# Altium PCB Copy of DIOT_SMA16_.PcbDoc (part 3 of 6) (continued)
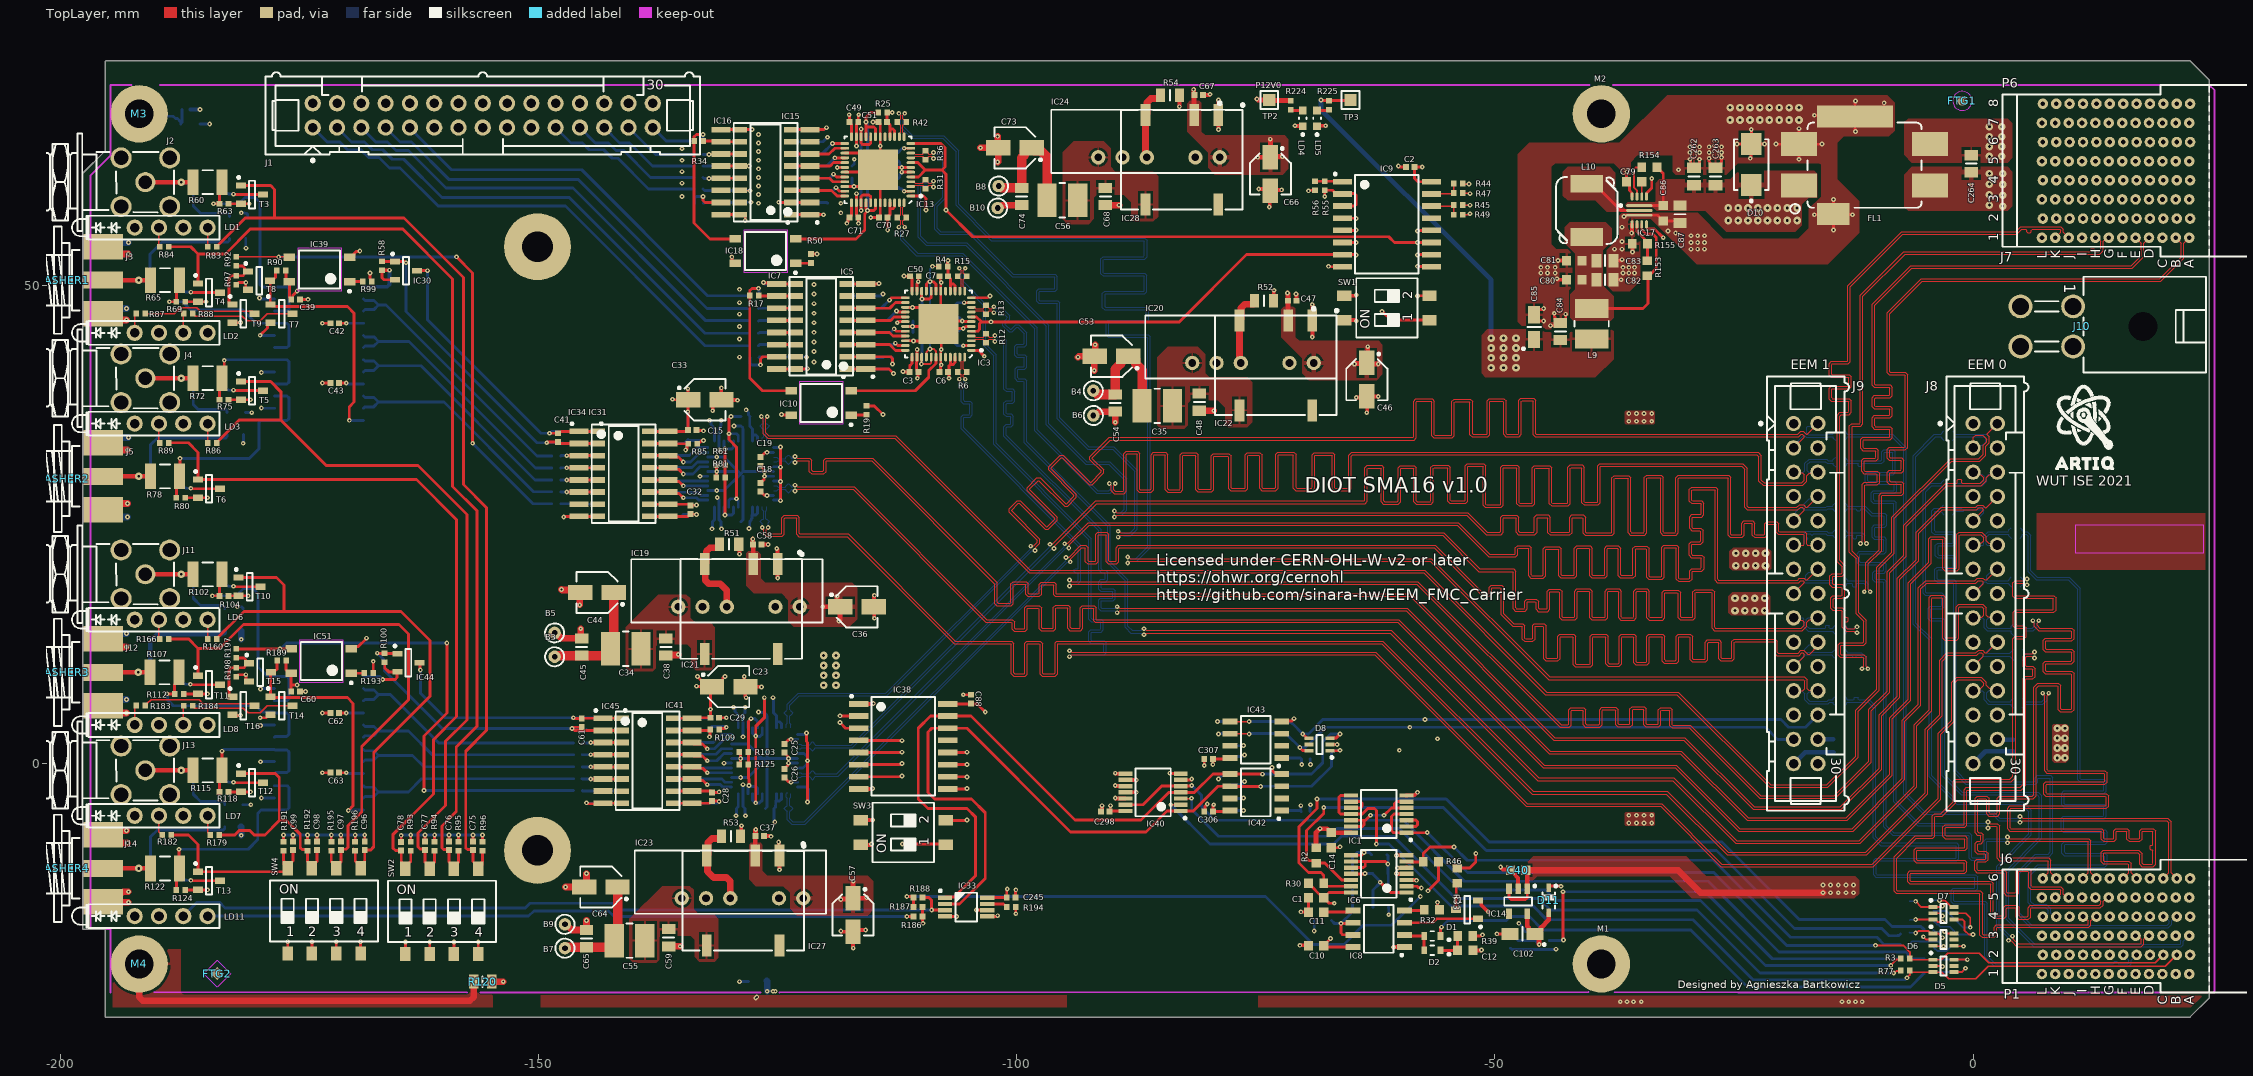
[diagram p0: TopLayer view]
## Nets (pads, with @x,y where several pads share a name; then routed paths per layer and width w, separated by ;. In a path a pad name is that pad's centre, name@x,y a point inside that pad or via, vN(x,y) a via of type N, cw(c..) or ccw(c..) an arc to the next point about the centre after c; other vN are vias at no path point) (continued)
EEM_IO.LVDS_N10: IC46.4 J9.9 R114.2 R173.2 | length 184.2
  TopLayer w0.12: v1(-96.1,22.5) -96.041,22.559 -96.041,22.81 -91.651,27.2 -63.558,27.2 -63.332,27.426 -63.332,30.842 -63.262,30.913 -61.95,30.913 -61.88,30.842 -61.88,27.368 -61.655,27.143 -60.088,27.143 -59.862,27.368 -59.862,30.83 -59.792,30.9 -58.548,30.9 -58.477,30.83 -58.477,27.361 -58.252,27.135 -56.654,27.135 -56.429,27.361 -56.429,30.863 -56.358,30.933 -54.995,30.933 -54.925,30.863 -54.925,27.438 -54.7,27.213 -53.067,27.213 -52.841,27.438 -52.841,31.03 -52.771,31.1 -51.285,31.1 -51.214,31.03 -51.214,27.035 -50.989,26.81 -49.35,26.81 -49.125,27.035 -49.125,30.865 -49.054,30.935 -47.77,30.935 -47.7,30.865 -47.7,27.194 -47.474,26.969 -46.049,26.969 -45.824,27.194 -45.824,30.824 -45.753,30.895 -44.37,30.895 -44.3,30.824 -44.3,28.162 -44.3,27.194 -44.074,26.969 -42.334,26.969 -42.109,27.194 -42.109,30.895 -42.038,30.965 -40.97,30.965 -40.9,30.895 -40.9,27.278 -40.674,27.053 -39.215,27.053 -38.989,27.278 -38.989,31.03 -38.919,31.1 -24.2,31.1 -23.9,30.8 -23.9,26.826 -23.611,26.537 -18.318,26.537 -18.034,26.821 -17.84,26.821 -17.659,26.641 -17.659,26.51 J9.9@-18.77,25.399
  Bottom Layer w0.12: IC46.4@-122.923,1.55 -122.58,1.55 -122.463,1.667 -121.693,1.667 -121.623,1.597 -121.623,1.56 -121.393,1.33 R114.2@-121.373,1.33 -121.353,1.33 -121.123,1.56 -121.123,1.597 -121.053,1.667 -117.184,1.667 -96.41,22.441 -96.159,22.441 v1(-96.1,22.5) ; J9.9@-18.77,25.399 -18.525,25.644 -18.525,26.314 -18.067,26.771 -17.877,26.771 -17.643,26.537 -15.293,26.537 -15.162,26.667 -14.673,26.667 -14.603,26.597 -14.603,26.53 R173.2@-14.373,26.3
EEM_IO.LVDS_N11: IC13.4 J9.12 R31.2 R174.2 | length 183.4
  TopLayer w0.085: IC13.4@-111.076,60.85 -110.762,60.85 -110.618,60.706 -109.843,60.706 -109.793,60.756 -109.793,60.823 -109.546,61.07 R31.2@-109.526,61.07 -109.506,61.07 -109.259,60.823 -109.259,60.756 -109.208,60.706 -108.957,60.706 -108.754,60.91 v1(-108.7,60.91)
  TopLayer w0.12: v1(-89.8,26.404) -89.717,26.404 -89.54,26.226 -52.826,26.226 -50.815,24.215 -49.47,24.215 -49.4,24.285 -49.4,25.739 -49.174,25.965 -47.726,25.965 -47.5,25.739 -47.5,24.285 -47.43,24.215 -45.935,24.215 -45.865,24.285 -45.865,25.774 -45.639,26 -44.426,26 -44.2,25.774 -44.2,24.254 -44.13,24.183 -42.27,24.183 -42.2,24.254 -42.2,25.774 -41.974,26 -40.749,26 -40.523,25.774 -40.523,24.218 -40.453,24.148 -37.835,24.148 -37.765,24.218 -37.765,29.882 -37.539,30.108 -36.026,30.108 -35.8,29.882 -35.8,24.235 -35.73,24.165 -34.435,24.165 -34.365,24.235 -34.365,29.932 -34.139,30.157 -32.626,30.157 -32.4,29.932 -32.4,24.235 -32.33,24.165 -31.17,24.165 -31.1,24.235 -31.1,29.875 -30.81,30.165 -25.561,30.165 -25.335,29.939 -25.335,23.991 -25.265,23.921 -24.27,23.921 -24.2,23.991 -24.2,25.153 -23.974,25.378 -23.037,25.378 -22.811,25.153 -22.811,24.002 -22.741,23.932 -21.864,23.932 -21.794,24.002 -21.794,25.087 -21.568,25.313 -20.537,25.313 -20.312,25.087 -20.312,24.324 -20.241,24.254 -17.624,24.254 -17.394,24.023 -17.394,22.92 -17.323,22.85 -16.239,22.85 J9.12@-16.23,22.859
  Bottom Layer w0.12: v1(-108.7,60.91) -108.783,60.91 -108.96,60.732 -110.023,60.732 -110.312,60.443 -110.312,55.03 -109.47,54.188 -105.362,54.188 -96.923,45.749 -96.923,35.448 -92.785,31.31 -90.384,31.31 -88.753,29.678 -88.753,26.622 -89.148,26.226 -89.54,26.226 -89.717,26.404 v1(-89.8,26.404) ; J9.12@-16.23,22.859 -16.244,22.845 -17.341,22.845 -17.411,22.916 -17.411,23.336 -17.283,23.465 -17.283,23.564 -17.411,23.692 -17.411,23.932 -17.321,24.022 -17.027,24.022 -16.894,23.888 -16.794,23.888 -16.661,24.022 -15.401,24.022 -15.272,23.892 -14.673,23.892 -14.603,23.822 -14.603,23.78 R174.2@-14.373,23.55
EEM_IO.LVDS_N12: IC46.10 J9.15 R121.2 R175.2 | length 183.5
  TopLayer w0.12: v1(-94.556,22.556) -94.497,22.614 -94.497,22.865 -92.415,24.947 -53.947,24.947 -50.635,21.635 -47.826,21.635 -47.6,21.86 -47.6,22.445 -47.53,22.516 -46.535,22.516 -46.465,22.445 -46.465,19.622 -46.239,19.397 -44.926,19.397 -44.7,19.622 -44.7,22.369 -44.63,22.439 -43.397,22.439 -43.326,22.369 -43.326,19.646 -43.101,19.421 -41.651,19.421 -41.426,19.646 -41.426,22.43 -41.356,22.5 -40.165,22.5 -40.095,22.43 -40.095,19.655 -39.87,19.429 -38.473,19.429 -38.248,19.655 -38.248,22.426 -38.177,22.497 -37.198,22.497 -37.128,22.426 -37.128,19.646 -36.902,19.421 -35.526,19.421 -35.3,19.646 -35.3,22.398 -35.23,22.468 -34.219,22.468 -34.149,22.398 -34.149,19.509 -33.923,19.283 -32.526,19.283 -32.3,19.509 -32.3,22.493 -32.23,22.564 -31.096,22.564 -31.026,22.493 -31.026,19.276 -30.8,19.051 -29.614,19.051 -29.389,19.276 -29.389,20.065 -29.318,20.135 -28.362,20.135 -28.136,20.361 -28.136,21.588 -28.362,21.814 -29.362,21.814 -29.432,21.884 -29.432,22.885 -29.362,22.955 -28.461,22.955 -28.235,23.181 -28.235,24.404 -28.461,24.63 -29.291,24.63 -29.361,24.7 -29.361,25.716 -29.291,25.787 -28.377,25.787 -28.152,26.012 -28.152,27.248 -28.377,27.473 -29.333,27.473 -29.403,27.543 -29.403,28.591 -29.333,28.662 -27.035,28.662 -26.965,28.591 -26.965,19.16 -26.739,18.935 -18.208,18.935 -18.043,19.099 -17.775,19.099 -17.638,18.963 -17.638,18.911 J9.15@-18.77,17.779
  Bottom Layer w0.12: IC46.10@-122.923,-1.45 -122.58,-1.45 -122.463,-1.333 -121.693,-1.333 -121.623,-1.403 -121.623,-1.44 -121.393,-1.67 R121.2@-121.373,-1.67 -121.353,-1.67 -121.123,-1.44 -121.123,-1.403 -121.053,-1.333 -118.695,-1.333 -94.865,22.497 -94.614,22.497 v1(-94.556,22.556) ; J9.15@-18.77,17.779 -17.637,18.912 -16.91,18.912 -14.785,18.912 -14.623,18.75 -14.603,18.75 -14.373,18.52 R175.2@-14.373,18.5
EEM_IO.LVDS_N13: IC13.10 J9.18 R36.2 R176.2 | length 184.5
  TopLayer w0.085: IC13.10@-111.076,63.85 -110.762,63.85 -110.618,63.706 -109.843,63.706 -109.793,63.756 -109.793,63.823 -109.546,64.07 R36.2@-109.526,64.07 -109.506,64.07 -109.259,63.823 -109.259,63.756 -109.208,63.706 -108.957,63.706 -108.754,63.91 v1(-108.7,63.91)
  TopLayer w0.12: v1(-89.4,23.684) -89.317,23.684 -89.14,23.861 -55.461,23.861 -51.688,20.088 -48.158,20.088 -48.087,20.018 -48.087,16.179 -47.862,15.954 -46.845,15.954 -46.619,16.179 -46.619,16.85 -46.549,16.92 -45.77,16.92 -45.7,16.85 -45.7,16.133 -45.474,15.908 -44.489,15.908 -44.264,16.133 -44.264,17.898 -44.193,17.968 -43.318,17.968 -43.248,17.898 -43.248,15.259 -43.023,15.034 -41.626,15.034 -41.4,15.259 -41.4,17.931 -41.33,18.001 -40.17,18.001 -40.1,17.931 -40.1,15.261 -39.874,15.035 -38.426,15.035 -38.2,15.261 -38.2,17.931 -38.13,18.001 -37.135,18.001 -37.065,17.931 -37.065,15.233 -36.839,15.008 -35.426,15.008 -35.2,15.233 -35.2,17.931 -35.13,18.001 -34.176,18.001 -34.106,17.931 -34.106,15.243 -33.88,15.017 -32.461,15.017 -32.235,15.243 -32.235,17.816 -32.165,17.886 -30.92,17.886 -30.85,17.816 -30.85,15.261 -30.624,15.035 -29.261,15.035 -29.035,15.261 -29.035,17.865 -28.965,17.935 -27.37,17.935 -27.3,17.865 -27.3,14.138 -27.074,13.913 -17.84,13.913 -17.394,14.359 -17.394,14.774 -17.14,15.028 -16.441,15.028 J9.18@-16.23,15.239
  Bottom Layer w0.12: v1(-108.7,63.91) -108.617,63.91 -108.44,63.732 -107.932,63.732 -107.488,63.288 -107.488,59.112 -108.297,58.303 -108.297,55.971 -107.934,55.609 -104.805,55.609 -100.353,51.157 -95.992,51.157 -95.767,50.931 -95.767,49.613 -95.992,49.388 -97.58,49.388 -97.651,49.318 -97.651,48.471 -97.58,48.401 -95.727,48.401 -95.501,48.175 -95.501,36.187 -92.475,33.16 -89.874,33.16 -87.388,30.674 -87.388,24.512 -88.064,23.835 -88.824,23.835 -88.851,23.861 -89.14,23.861 -89.317,23.684 v1(-89.4,23.684) ; J9.18@-16.23,15.239 -17.261,15.239 -17.421,15.079 -17.421,14.42 -17.134,14.132 -15.492,14.132 -15.422,14.203 -15.422,14.417 -15.352,14.487 -15.094,14.487 -15.024,14.417 -15.024,14.203 -14.953,14.132 -14.673,14.132 -14.603,14.203 -14.603,14.27 R176.2@-14.373,14.5
EEM_IO.LVDS_N14: IC46.14 J9.21 R129.2 R177.2 | length 184
  TopLayer w0.12: v1(-94.406,21.106) -94.347,21.164 -94.347,21.415 -93.212,22.551 -92.907,22.551 -92.818,22.462 -92.818,21.115 -92.592,20.89 -91.706,20.89 -91.48,21.115 -91.48,23.876 -91.41,23.946 -90.713,23.946 -90.642,23.876 -90.642,21.102 -90.417,20.877 -89.55,20.877 -89.325,21.102 -89.325,22.481 -89.254,22.551 -56.326,22.551 -51.274,17.5 -50.574,17.5 -50.349,17.726 -50.349,18.342 -50.278,18.412 -49.422,18.412 -49.351,18.342 -49.351,15.577 -48.155,14.38 -47.195,14.38 -47.125,14.31 -47.125,13.002 -46.9,12.777 -46.026,12.777 -45.8,13.002 -45.8,14.35 -45.769,14.38 -44.977,14.38 -44.906,14.31 -44.906,10.981 -44.681,10.756 -43.416,10.756 -43.19,10.981 -43.19,13.187 -43.12,13.257 -41.893,13.257 -41.822,13.187 -41.822,10.357 -41.597,10.132 -40.003,10.132 -39.777,10.357 -39.777,13.187 -39.707,13.257 -38.47,13.257 -38.4,13.187 -38.4,10.421 -38.174,10.196 -36.987,10.196 -36.761,10.421 -36.761,13.187 -36.691,13.257 -35.566,13.257 -35.495,13.187 -35.495,10.55 -35.27,10.325 -34.095,10.325 -33.87,10.55 -33.87,13.198 -33.799,13.268 -32.572,13.268 -32.502,13.198 -32.502,10.73 -32.276,10.504 -31.013,10.504 -30.787,10.73 -30.787,13.214 -30.717,13.284 -29.67,13.284 -29.6,13.214 -29.6,10.882 -29.374,10.657 -27.961,10.657 -27.735,10.882 -27.735,12.609 -27.665,12.679 -26.67,12.679 -26.6,12.609 -26.6,10.965 -26.374,10.74 -25.179,10.74 -24.953,10.965 -24.953,12.677 -24.883,12.747 -20.801,12.747 -20.731,12.677 -20.731,11.526 -20.505,11.3 -18.195,11.3 -17.918,11.577 -17.819,11.577 -17.672,11.43 -17.672,11.222 -18.735,10.159 J9.21@-18.77,10.159
  Bottom Layer w0.12: IC46.14@-124.123,-3.15 -124.123,-3.493 -124.005,-3.61 -124.005,-4.38 -124.076,-4.45 -124.113,-4.45 -124.343,-4.68 R129.2@-124.343,-4.7 -124.343,-4.72 -124.113,-4.95 -124.076,-4.95 -124.005,-5.02 -124.005,-5.869 -123.532,-6.343 -122.105,-6.343 -94.715,21.047 -94.464,21.047 v1(-94.406,21.106) ; IC46.14@-124.005,-3.15 IC46.14@-124.005,-3 ; J9.21@-18.77,10.159 -17.566,11.363 -16.145,11.363 -14.786,11.363 -14.623,11.2 -14.603,11.2 -14.373,10.97 R177.2@-14.373,10.95
EEM_IO.LVDS_N15: IC13.14 J9.24 R42.2 R144.2 | length 182
  TopLayer w0.085: v1(-112.336,68) -112.332,68 -112.132,67.8 -112.132,67.626 -112.132,67.417 -112.182,67.367 -112.249,67.367 -112.496,67.12 R42.2@-112.496,67.1 -112.496,67.08 -112.249,66.833 -112.182,66.833 -112.132,66.783 -112.132,66.233 -112.132,66.007 -112.276,65.864 IC13.14@-112.276,65.55
  TopLayer w0.12: v1(-88.4,21.604) -88.317,21.604 -88.14,21.426 -56.651,21.426 -44.287,9.062 -17.649,9.062 -17.352,8.765 -17.352,7.82 -17.206,7.673 -16.284,7.673 J9.24@-16.23,7.619
  Bottom Layer w0.12: v1(-112.336,68) -112.336,67.917 -112.158,67.74 -112.158,66.558 -110.988,65.388 -107.762,65.388 -106.353,63.978 -106.353,58.373 -102.68,54.7 -86.717,54.7 -86.647,54.63 -86.647,53.092 -86.717,53.022 -90.979,53.022 -91.204,52.796 -91.204,51.237 -90.979,51.012 -86.723,51.012 -86.653,50.942 -86.653,49.47 -86.723,49.4 -90.813,49.4 -91.038,49.174 -91.038,47.672 -90.813,47.447 -86.553,47.447 -86.482,47.376 -86.482,46.441 -86.553,46.371 -90.433,46.371 -90.658,46.145 -90.658,44.799 -90.433,44.573 -86.38,44.573 -86.31,44.503 -86.31,22.664 -87.548,21.426 -88.14,21.426 -88.317,21.604 v1(-88.4,21.604) ; J9.24@-16.23,7.619 -16.326,7.523 -17.14,7.523 -17.341,7.321 -17.341,6.796 -17.078,6.533 -15.252,6.533 -15.102,6.682 -14.673,6.682 -14.603,6.753 -14.603,6.82 R144.2@-14.373,7.05
EEM_IO.LVDS_P5: IC3.9 J8.17 R13.1 R150.2 | length 182.6
  TopLayer w0.085: IC3.9@-104.749,47.217 -104.435,47.217 -104.291,47.36 -103.516,47.36 -103.466,47.31 -103.466,47.244 -103.219,46.997 R13.1@-103.199,46.997 -103.179,46.997 -102.931,47.244 -102.931,47.31 -102.881,47.36 -102.6,47.36 -102.4,47.161 v1(-102.4,47.157)
  TopLayer w0.12: v1(-86.7,13.48) -86.617,13.48 -86.44,13.657 -60.958,13.657 -45.535,-1.765 -31.41,-1.765 -24.838,-8.337 -11.806,-8.337 -5.897,-2.429 -5.897,3.952 -4.322,5.527 -4.322,17.264 -4.252,17.334 -3.254,17.334 -3.184,17.264 -3.184,13.118 -2.959,12.892 -1.726,12.892 -1.5,13.118 -1.5,16.285 -1.388,16.397 0.9,16.397 1.111,16.186 1.111,15.522 0.91,15.321 0.081,15.321 J8.17@0,15.24
  Bottom Layer w0.085: 1.163,15.013 1.164,15.014 1.164,15.039
  Bottom Layer w0.12: v1(-102.4,47.157) -102.317,47.157 -102.14,47.334 -101.609,47.334 -100.975,46.7 -100.975,46.601 -101.07,46.506 -101.458,46.118 -101.458,45.799 -100.798,45.138 -100.479,45.138 -99.996,45.621 -99.896,45.621 -99.23,44.956 -99.23,43.935 -99.301,43.865 -99.984,43.865 -100.209,43.639 -100.209,42.728 -99.984,42.502 -99.298,42.502 -99.228,42.432 -99.228,41.574 -99.298,41.504 -99.952,41.504 -100.178,41.278 -100.178,40.234 -99.943,40 -99.301,40 -99.23,39.929 -99.23,33.556 -90.5,24.825 -90.5,20.988 -88.65,19.138 -88.65,14.25 -88.058,13.657 -86.96,13.657 -86.783,13.48 v1(-86.7,13.48) ; J8.17@0,15.24 0.962,15.24 1.164,15.039 ; 1.163,15.013 1.163,14.187 1.472,13.877 3.925,13.877 3.995,13.807 3.995,13.65 R150.2@4.225,13.42
EEM_IO.LVDS_P6: IC32.13 J8.20 R82.1 R151.2 | length 183.2
  TopLayer w0.12: v1(-125.996,24.7) -126.039,24.657 -126.039,24.574 -126.174,24.44 -126.174,24.141 -126.053,24.02 -124.635,24.02 -124.565,24.09 -124.565,25.735 -124.339,25.961 -122.977,25.961 -122.752,25.735 -122.752,24.083 -122.681,24.012 -117.645,24.012 -106.433,12.8 -100.542,12.8 -100.3,12.558 -100.3,9.5 -100.2,9.4 -99.243,9.4 -99.173,9.47 -99.173,12.574 -98.947,12.8 -97.571,12.8 -97.3,12.529 -97.3,9.458 -97.23,9.387 -96.087,9.387 -95.979,9.496 -95.979,12.645 -95.824,12.8 -61.725,12.8 -46.013,-2.913 -31.963,-2.913 -25.603,-9.272 -11.236,-9.272 -5.012,-3.049 -5.012,3.612 -3.487,5.137 -3.487,10.835 -2.744,11.578 0.285,11.578 0.572,11.865 0.986,11.865 1.244,11.606 1.446,11.606 J8.20@2.54,12.7
  Bottom Layer w0.085: IC32.13@-126.123,26.85 -126.123,26.536 -126.267,26.393 -126.267,25.617 -126.217,25.567 -126.15,25.567 -125.903,25.32 R82.1@-125.903,25.3 -125.996,25.207 v1(-125.996,24.7)
  Bottom Layer w0.12: J8.20@2.54,12.7 2.446,12.7 1.45,11.703 1.45,11.604 1.52,11.534 3.829,11.534 4.225,11.93 R151.2@4.225,11.95
EEM_IO.LVDS_P7: IC3.13 J8.23 R15.1 R152.2 | length 182.7
  TopLayer w0.085: IC3.13@-105.449,49.417 -105.449,49.73 -105.592,49.874 -105.592,50.649 -105.542,50.699 -105.476,50.699 -105.229,50.947 R15.1@-105.229,50.967 -105.229,50.987 -105.476,51.234 -105.542,51.234 -105.592,51.284 -105.592,51.6 -105.392,51.8 v1(-105.389,51.8)
  TopLayer w0.12: v1(-94.5,11.184) -94.417,11.184 -94.24,11.361 -62.561,11.361 -58.959,7.759 -46.722,-4.478 -32.673,-4.478 -26.388,-10.762 -10.428,-10.762 -3.372,-3.707 -3.372,3.052 -1.972,4.452 -1.972,8.425 -1.622,8.775 0.756,8.775 1.111,8.42 1.111,8.204 0.81,7.903 0.283,7.903 J8.23@0,7.62
  Bottom Layer w0.12: v1(-105.389,51.8) -105.389,51.717 -105.566,51.54 -105.566,50.366 -103.235,48.035 -103.235,43.835 -102.147,42.747 -102.147,33.49 -92.188,23.53 -92.188,15.193 -92.117,15.123 -91.161,15.123 -90.936,14.897 -90.936,13.979 -91.161,13.754 -92.14,13.754 -92.21,13.683 -92.21,12.913 -92.14,12.843 -90.861,12.843 -90.635,12.617 -90.635,11.59 -90.864,11.361 -94.24,11.361 -94.417,11.184 v1(-94.5,11.184) ; J8.23@0,7.62 0.949,7.62 1.164,7.405 1.164,6.664 1.61,6.217 3.925,6.217 3.995,6.147 3.995,6.072 R152.2@4.225,5.842
EEM_IO.LVDS_P8: IC46.47 J9.2 R57.2 R106.1 | length 184.3
  TopLayer w0.12: v1(-98.538,22.738) -98.48,22.797 -98.229,22.797 -97.872,23.154 -97.872,23.372 -100.808,26.308 -100.808,26.627 -99.94,27.496 -99.621,27.496 -96.899,24.774 -96.8,24.774 -96.024,25.55 -96.024,25.649 -98.906,28.531 -98.906,28.85 -97.887,29.868 -97.568,29.868 -94.887,27.187 -94.788,27.187 -94.025,27.95 -94.025,28.05 -96.683,30.708 -96.683,31.027 -95.465,32.246 -95.146,32.246 -92.336,29.436 -92.237,29.436 -91.168,30.505 -91.168,30.605 -92.351,31.787 -92.351,32.106 -90.354,34.104 -58.57,34.104 -58.5,34.174 -58.5,37.919 -58.274,38.145 -56.561,38.145 -56.335,37.919 -56.335,34.403 -56.265,34.333 -54.57,34.333 -54.5,34.403 -54.5,37.887 -54.274,38.113 -52.569,38.113 -52.343,37.887 -52.343,34.51 -52.273,34.44 -50.87,34.44 -50.8,34.51 -50.8,37.941 -50.574,38.166 -49.061,38.166 -48.835,37.941 -48.835,34.531 -48.765,34.461 -47.57,34.461 -47.5,34.531 -47.5,37.988 -47.274,38.213 -45.953,38.213 -45.727,37.988 -45.727,34.513 -45.657,34.443 -18.329,34.443 -18.017,34.755 -17.771,34.755 -17.452,34.436 -17.353,34.436 J9.2@-16.23,35.559
  Bottom Layer w0.12: IC46.47@-124.123,3.75 -124.123,4.093 -124.005,4.21 -124.005,4.98 -124.076,5.05 -124.113,5.05 -124.343,5.28 R106.1@-124.343,5.3 -124.343,5.32 -124.113,5.55 -124.076,5.55 -124.005,5.62 -124.005,6.195 -122.858,7.343 -113.683,7.343 -98.597,22.429 -98.597,22.68 v1(-98.538,22.738) ; J9.2@-16.23,35.559 -16.513,35.276 -17.299,35.276 -17.383,35.192 -17.383,34.548 -17.241,34.406 -15.298,34.406 -15.272,34.432 -14.673,34.432 -14.603,34.503 -14.603,34.57 R57.2@-14.373,34.8
EEM_IO.LVDS_P9: IC13.47 J9.5 R27.1 R178.2 | length 182.9
  TopLayer w0.085: v1(-112.336,56.1) -112.336,56.196 -112.132,56.4 -112.132,56.783 -112.182,56.833 -112.249,56.833 -112.496,57.08 R27.1@-112.496,57.1 -112.496,57.12 -112.249,57.367 -112.182,57.367 -112.132,57.417 -112.132,58.193 -112.276,58.336 IC13.47@-112.276,58.65
  TopLayer w0.12: v1(-89.7,29.3) -89.7,29.217 -89.877,29.04 -89.877,28.658 -89.719,28.5 -88.877,28.5 -88.8,28.577 -88.8,32.419 -88.574,32.644 -87.361,32.644 -87.135,32.419 -87.135,28.703 -87.065,28.633 -86.061,28.633 -85.964,28.73 -85.964,32.315 -85.739,32.54 -84.426,32.54 -84.2,32.315 -84.2,28.735 -84.13,28.665 -82.979,28.665 -82.909,28.735 -82.909,32.274 -82.683,32.5 -81.243,32.5 -81.017,32.274 -81.017,28.77 -80.947,28.7 -79.742,28.7 -79.672,28.77 -79.672,32.183 -79.446,32.408 -77.819,32.408 -77.593,32.183 -77.593,28.855 -77.523,28.785 -76.171,28.785 -76.1,28.855 -76.1,32.301 -75.875,32.527 -74.569,32.527 -74.344,32.301 -74.344,28.88 -74.274,28.81 -73.005,28.81 -72.935,28.88 -72.935,32.336 -72.71,32.562 -71.025,32.562 -70.8,32.336 -70.8,28.888 -70.729,28.818 -69.17,28.818 -69.1,28.888 -69.1,32.308 -68.874,32.534 -66.961,32.534 -66.735,32.308 -66.735,28.853 -66.665,28.783 -65.337,28.783 -65.267,28.853 -65.267,32.267 -64.969,32.565 -22.49,32.565 -22.135,32.21 -22.135,29.645 -21.852,29.362 -17.912,29.362 -17.659,29.616 -17.659,30.21 -17.86,30.411 -18.702,30.411 J9.5@-18.77,30.479
  Bottom Layer w0.085: v1(-112.336,56.1) v1@-112.132,56.1
  Bottom Layer w0.12: v1(-112.336,56.1) -112.336,56.017 -112.158,55.84 -112.158,54.758 -110.488,53.088 -105.762,53.088 -98.144,45.47 -98.144,34.814 -91.618,28.288 -90.252,28.288 -89.912,28.627 -89.912,29.005 -89.7,29.217 v1(-89.7,29.3) ; J9.5@-18.77,30.479 -17.766,30.479 -17.606,30.639 -17.606,31.391 -17.142,31.855 -15.326,31.855 -15.153,31.682 -14.673,31.682 -14.603,31.753 -14.603,31.82 R178.2@-14.373,32.05
EEM_IO.LVDS_P10: IC46.3 J9.8 R114.1 R180.2 | length 184.2
  TopLayer w0.12: v1(-96.538,22.938) -96.48,22.997 -96.229,22.997 -91.761,27.465 -63.668,27.465 -63.597,27.535 -63.597,30.952 -63.372,31.178 -61.841,31.178 -61.615,30.952 -61.615,27.478 -61.545,27.408 -60.198,27.408 -60.127,27.478 -60.127,30.939 -59.902,31.165 -58.438,31.165 -58.212,30.939 -58.212,27.47 -58.142,27.4 -56.764,27.4 -56.694,27.47 -56.694,30.973 -56.468,31.198 -54.886,31.198 -54.66,30.973 -54.66,27.548 -54.59,27.478 -53.177,27.478 -53.106,27.548 -53.106,31.139 -52.881,31.365 -51.175,31.365 -50.949,31.139 -50.949,27.145 -50.879,27.075 -49.46,27.075 -49.39,27.145 -49.39,30.974 -49.164,31.2 -47.661,31.2 -47.435,30.974 -47.435,27.304 -47.365,27.234 -46.159,27.234 -46.089,27.304 -46.089,30.934 -45.863,31.16 -44.261,31.16 -44.035,30.934 -44.035,28.053 -44.035,27.304 -43.965,27.234 -42.444,27.234 -42.374,27.304 -42.374,31.005 -42.148,31.23 -40.861,31.23 -40.635,31.005 -40.635,27.388 -40.565,27.318 -39.324,27.318 -39.254,27.388 -39.254,31.139 -39.029,31.365 -24.09,31.365 -23.635,30.91 -23.635,26.935 -23.501,26.802 -18.428,26.802 -18.143,27.086 -17.73,27.086 -17.472,26.828 -17.341,26.828 J9.8@-16.23,27.939
  Bottom Layer w0.12: IC46.3@-122.923,2.05 -122.58,2.05 -122.463,1.932 -121.693,1.932 -121.623,2.003 -121.623,2.04 -121.393,2.27 R114.1@-121.373,2.27 -121.353,2.27 -121.123,2.04 -121.123,2.003 -121.053,1.932 -117.293,1.932 -96.597,22.629 -96.597,22.88 v1(-96.538,22.938) ; J9.8@-16.23,27.939 -16.487,27.682 -17.118,27.682 -17.649,27.151 -17.649,26.918 -17.533,26.802 -15.403,26.802 -15.272,26.932 -14.673,26.932 -14.603,27.003 -14.603,27.07 R180.2@-14.373,27.3
EEM_IO.LVDS_P11: IC13.3 J9.11 R31.1 R156.2 | length 183
  TopLayer w0.085: IC13.3@-111.076,60.35 -110.762,60.35 -110.618,60.494 -109.843,60.494 -109.793,60.444 -109.793,60.377 -109.546,60.13 R31.1@-109.526,60.13 -109.506,60.13 -109.259,60.377 -109.259,60.444 -109.208,60.494 -108.957,60.494 -108.754,60.29 v1(-108.7,60.29)
  TopLayer w0.12: v1(-89.8,25.784) -89.717,25.784 -89.54,25.961 -52.936,25.961 -50.925,23.95 -49.361,23.95 -49.135,24.176 -49.135,25.63 -49.065,25.7 -47.835,25.7 -47.765,25.63 -47.765,24.176 -47.539,23.95 -45.826,23.95 -45.6,24.176 -45.6,25.665 -45.53,25.735 -44.535,25.735 -44.465,25.665 -44.465,24.144 -44.239,23.918 -42.161,23.918 -41.935,24.144 -41.935,25.665 -41.865,25.735 -40.858,25.735 -40.788,25.665 -40.788,24.108 -40.563,23.883 -37.726,23.883 -37.5,24.108 -37.5,29.772 -37.43,29.843 -36.135,29.843 -36.065,29.772 -36.065,24.126 -35.839,23.9 -34.326,23.9 -34.1,24.126 -34.1,29.822 -34.03,29.892 -32.735,29.892 -32.665,29.822 -32.665,24.126 -32.439,23.9 -31.061,23.9 -30.835,24.126 -30.835,29.765 -30.7,29.9 -25.67,29.9 -25.6,29.83 -25.6,23.881 -25.374,23.656 -24.161,23.656 -23.935,23.881 -23.935,25.043 -23.865,25.113 -23.146,25.113 -23.076,25.043 -23.076,23.893 -22.851,23.667 -21.754,23.667 -21.529,23.893 -21.529,24.977 -21.458,25.048 -20.647,25.048 -20.577,24.977 -20.577,24.214 -20.351,23.989 -17.734,23.989 -17.661,23.916 -17.661,22.93 -17.732,22.86 J9.11@-18.769,22.86
  Bottom Layer w0.12: v1(-108.7,60.29) -108.783,60.29 -108.96,60.467 -109.914,60.467 -110.047,60.334 -110.047,55.14 -109.36,54.453 -105.253,54.453 -96.658,45.858 -96.658,35.558 -92.675,31.575 -90.274,31.575 -88.488,29.788 -88.488,26.512 -89.038,25.961 -89.54,25.961 -89.717,25.784 v1(-89.8,25.784) ; J9.11@-18.768,22.857 -17.747,22.857 -17.676,22.927 -17.676,24.042 -17.431,24.287 -15.292,24.287 -15.162,24.158 -14.673,24.158 -14.603,24.228 -14.603,24.27 R156.2@-14.373,24.5
EEM_IO.LVDS_P12: IC46.9 J9.14 R121.1 R157.2 | length 184
  TopLayer w0.12: v1(-94.994,22.994) -94.936,23.053 -94.685,23.053 -92.525,25.212 -53.838,25.212 -50.525,21.9 -47.935,21.9 -47.865,21.97 -47.865,22.555 -47.639,22.781 -46.426,22.781 -46.2,22.555 -46.2,19.732 -46.13,19.662 -45.035,19.662 -44.965,19.732 -44.965,22.479 -44.739,22.704 -43.287,22.704 -43.061,22.479 -43.061,19.756 -42.991,19.686 -41.761,19.686 -41.691,19.756 -41.691,22.539 -41.465,22.765 -40.056,22.765 -39.83,22.539 -39.83,19.765 -39.76,19.694 -38.583,19.694 -38.513,19.765 -38.513,22.536 -38.287,22.762 -37.088,22.762 -36.863,22.536 -36.863,19.756 -36.793,19.686 -35.635,19.686 -35.565,19.756 -35.565,22.507 -35.339,22.733 -34.109,22.733 -33.884,22.507 -33.884,19.619 -33.813,19.548 -32.635,19.548 -32.565,19.619 -32.565,22.603 -32.339,22.829 -30.986,22.829 -30.761,22.603 -30.761,19.386 -30.691,19.316 -29.724,19.316 -29.654,19.386 -29.654,20.174 -29.428,20.4 -28.471,20.4 -28.401,20.47 -28.401,21.479 -28.471,21.549 -29.472,21.549 -29.697,21.774 -29.697,22.994 -29.472,23.22 -28.57,23.22 -28.5,23.29 -28.5,24.295 -28.57,24.365 -29.4,24.365 -29.626,24.591 -29.626,25.826 -29.4,26.052 -28.487,26.052 -28.417,26.122 -28.417,27.138 -28.487,27.208 -29.443,27.208 -29.668,27.434 -29.668,28.701 -29.443,28.927 -26.926,28.927 -26.7,28.701 -26.7,19.27 -26.63,19.2 -18.318,19.2 -18.153,19.364 -17.665,19.364 -17.525,19.224 -17.325,19.224 J9.14@-16.23,20.319
  Bottom Layer w0.12: IC46.9@-122.923,-0.95 -122.58,-0.95 -122.463,-1.068 -121.693,-1.068 -121.623,-0.997 -121.623,-0.96 -121.393,-0.73 R121.1@-121.373,-0.73 -121.353,-0.73 -121.123,-0.96 -121.123,-0.997 -121.053,-1.068 -118.805,-1.068 -95.053,22.685 -95.053,22.936 v1(-94.994,22.994) ; J9.14@-16.23,20.319 -16.513,20.036 -17.174,20.036 -17.52,19.689 -17.52,19.248 -17.45,19.177 -16.8,19.177 -14.695,19.177 -14.623,19.25 -14.603,19.25 -14.373,19.48 R157.2@-14.373,19.5
EEM_IO.LVDS_P13: IC13.9 J9.17 R36.1 R158.2 | length 182.9
  TopLayer w0.085: IC13.9@-111.076,63.35 -110.762,63.35 -110.618,63.494 -109.843,63.494 -109.793,63.444 -109.793,63.377 -109.546,63.13 R36.1@-109.526,63.13 -109.506,63.13 -109.259,63.377 -109.259,63.444 -109.208,63.494 -108.957,63.494 -108.754,63.29 v1(-108.7,63.29)
  TopLayer w0.12: v1(-89.4,24.304) -89.317,24.304 -89.14,24.126 -55.351,24.126 -51.579,20.353 -48.048,20.353 -47.822,20.128 -47.822,16.289 -47.752,16.219 -46.954,16.219 -46.884,16.289 -46.884,16.96 -46.659,17.185 -45.66,17.185 -45.435,16.96 -45.435,16.243 -45.365,16.173 -44.599,16.173 -44.529,16.243 -44.529,18.008 -44.303,18.233 -43.209,18.233 -42.983,18.008 -42.983,15.369 -42.913,15.299 -41.735,15.299 -41.665,15.369 -41.665,18.041 -41.439,18.266 -40.061,18.266 -39.835,18.041 -39.835,15.37 -39.765,15.3 -38.535,15.3 -38.465,15.37 -38.465,18.041 -38.239,18.266 -37.026,18.266 -36.8,18.041 -36.8,15.343 -36.73,15.273 -35.535,15.273 -35.465,15.343 -35.465,18.041 -35.239,18.266 -34.066,18.266 -33.841,18.041 -33.841,15.352 -33.771,15.282 -32.57,15.282 -32.5,15.352 -32.5,17.925 -32.274,18.151 -30.811,18.151 -30.585,17.925 -30.585,15.37 -30.515,15.3 -29.37,15.3 -29.3,15.37 -29.3,17.975 -29.074,18.2 -27.261,18.2 -27.035,17.975 -27.035,14.248 -26.965,14.178 -17.95,14.178 -17.659,14.469 -17.659,14.774 -17.874,14.989 -18.52,14.989 J9.17@-18.77,15.239
  Bottom Layer w0.085: v1(-108.7,63.29) v1@-108.7,63.326
  Bottom Layer w0.12: v1(-108.7,63.29) -108.617,63.29 -108.44,63.467 -108.042,63.467 -107.753,63.178 -107.753,59.222 -108.562,58.413 -108.562,55.862 -108.044,55.344 -104.914,55.344 -100.463,50.892 -96.102,50.892 -96.032,50.822 -96.032,49.723 -96.102,49.653 -97.69,49.653 -97.916,49.427 -97.916,48.361 -97.69,48.136 -95.837,48.136 -95.766,48.065 -95.766,36.077 -92.585,32.895 -89.983,32.895 -87.653,30.564 -87.653,24.622 -88.174,24.1 -88.715,24.1 -88.741,24.126 -89.14,24.126 -89.317,24.304 v1(-89.4,24.304) ; J9.17@-18.77,15.239 -17.829,15.239 -17.686,15.096 -17.686,14.31 -17.243,13.867 -14.673,13.867 -14.603,13.797 -14.603,13.73 R158.2@-14.373,13.5